# Altium PCB 1166V30.PcbDoc (part 6 of 6)
Units mil, origin at the board's own origin, x right, y up, seen from the top; angles counter-clockwise.
Board outline 6140.98 x 3937.01 mil, 8 copper layers (Top Layer, Layer 1, Layer 2, Layer 3, Layer 4, Layer 5, Layer 6, Bottom Layer), stack 63.002 mil thick; 581 components, 327 nets, 2120 pads, 1524 vias.
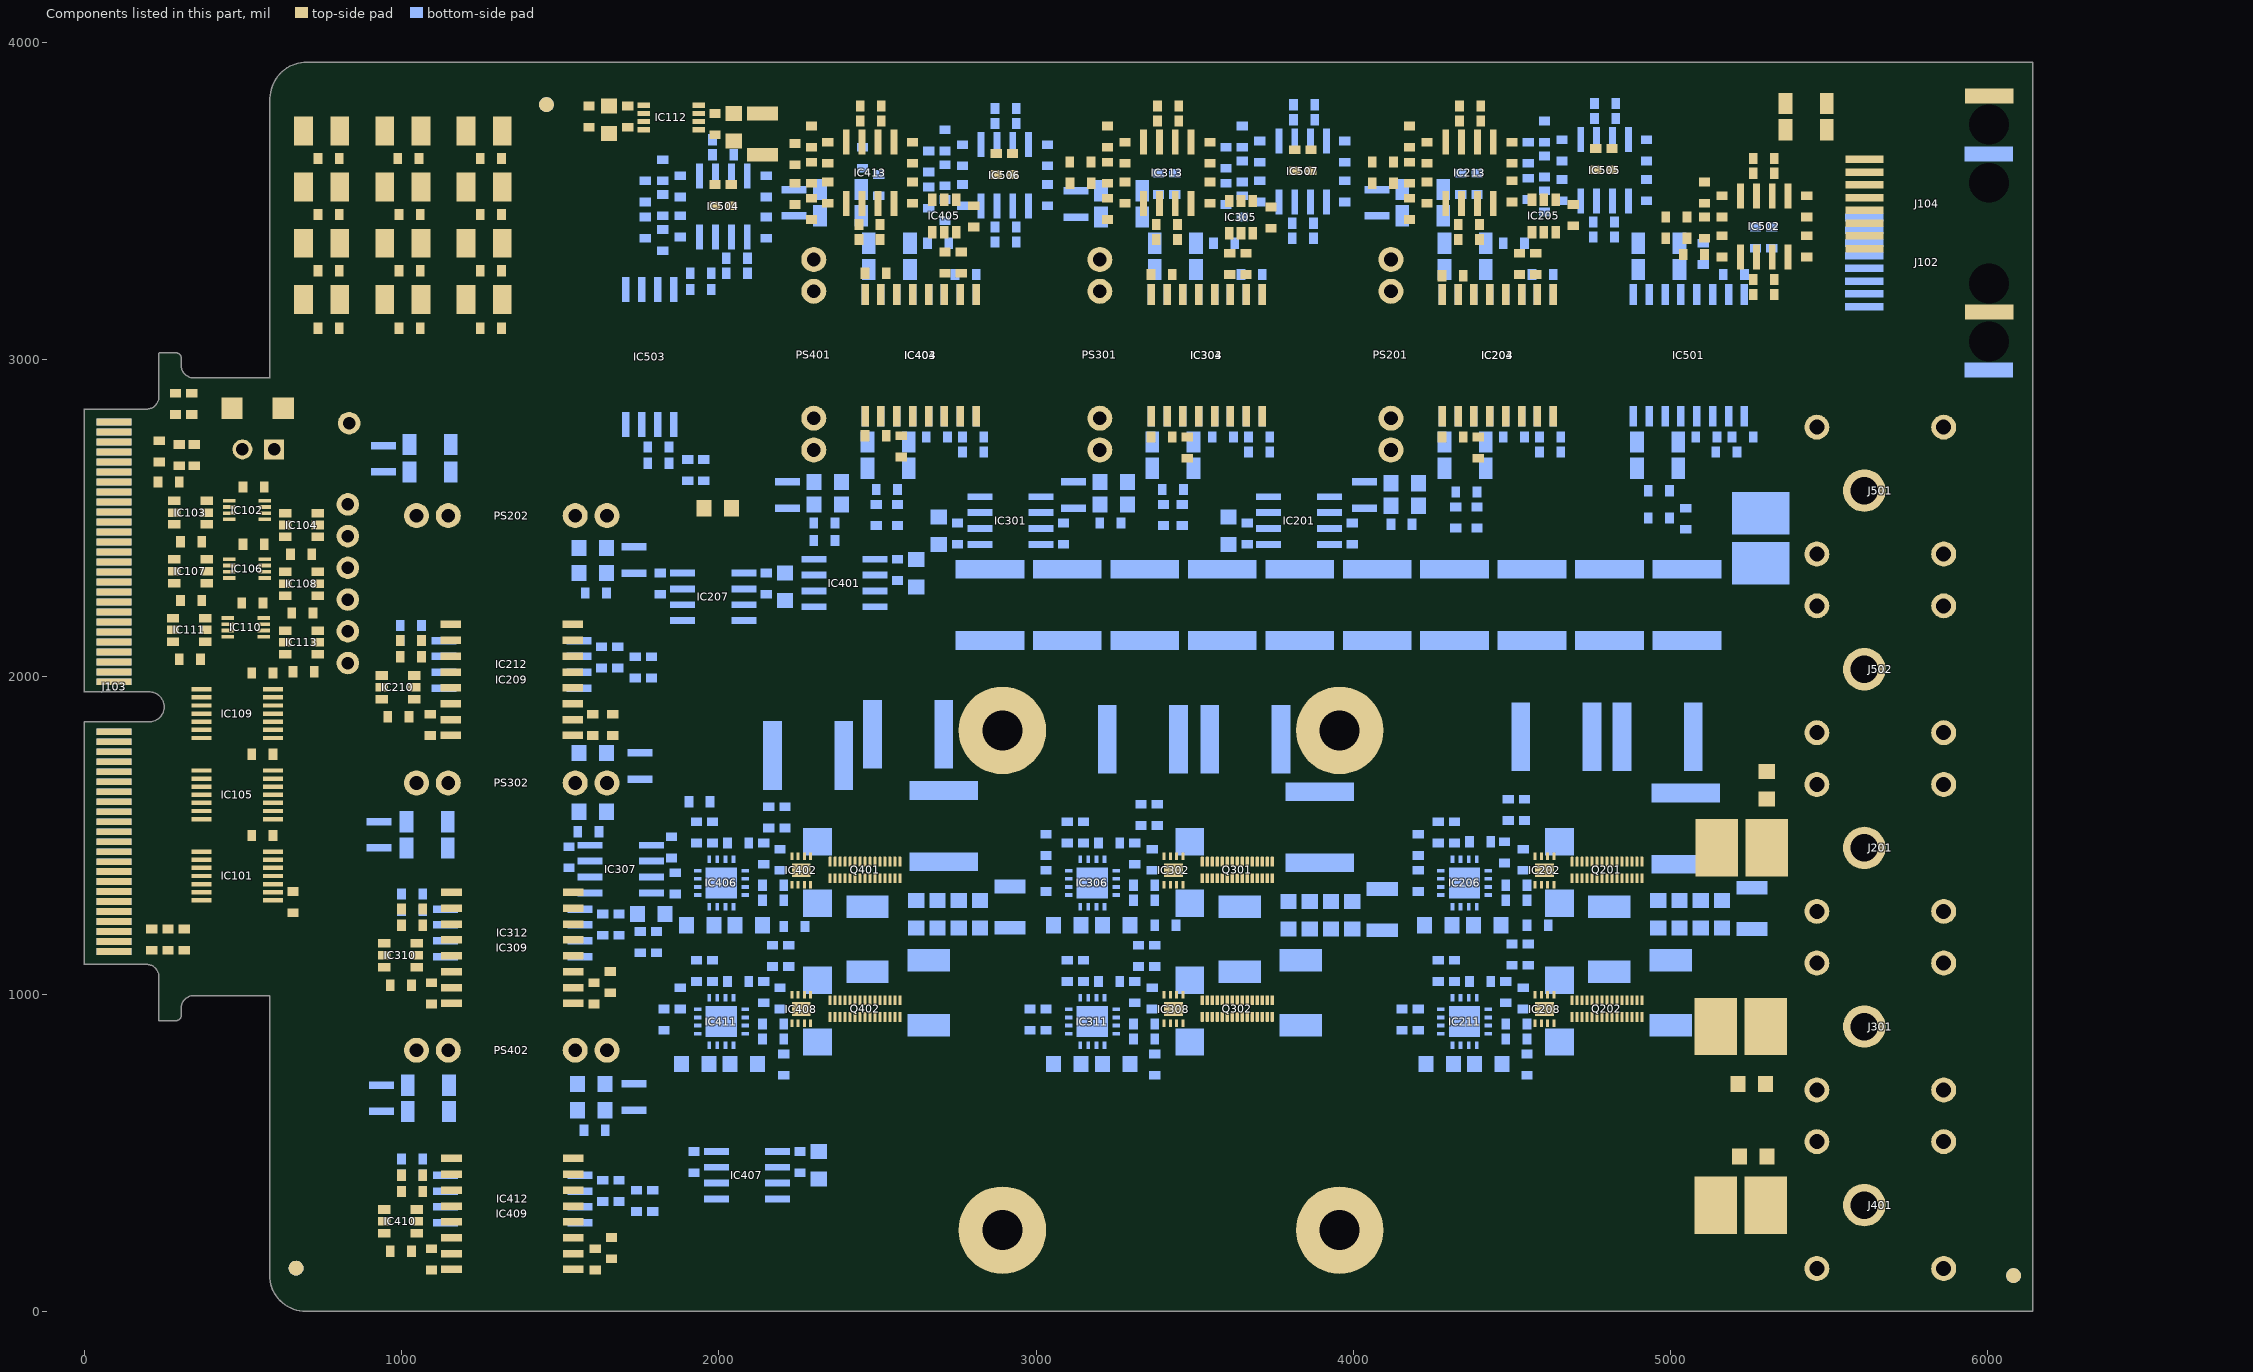
[diagram p12: the components of this part, seen from the top]

## Polygon pours and split planes (outlines as drawn) (continued)
M1 on Layer 1 "M1_L02_P155" (solid, remove dead copper, pour order 155): 4157.48,1173.23 4149.61,1165.35 4149.61,795.28 4177.17,767.72 4177.17,673.23 5015.75,673.23 5015.75,960.63 4917.32,1059.06 4917.32,1165.35 4909.45,1173.23
M3 on Layer 1 "M3_L02_P154" (solid, remove dead copper, pour order 154): 2972.44,1165.35 2972.44,759.84 3062.99,669.29 3775.59,669.29 3775.59,716.54 3846.46,787.4 3846.46,960.63 3751.97,1055.12 3751.97,1165.35 3744.09,1173.23 2980.31,1173.23
MP on Layer 1 "MP_L02_P153" (solid, remove dead copper, pour order 153): 3035.43,665.35 5047.24,665.35 5062.99,649.61 5062.99,0 3035.43,0
M2 on Layer 1 "M2_L02_P152" (solid, remove dead copper, pour order 152): 4157.48,1181.1 4145.67,1192.91 4145.67,1503.94 4267.72,1625.98 4523.62,1625.98 4720.47,1429.13 4905.51,1429.13 4917.32,1417.32 4917.32,1181.1
M4 on Layer 1 "M4_L02_P151" (solid, remove dead copper, pour order 151): 2984.25,1181.1 2976.38,1188.98 2976.38,1488.19 3114.17,1625.98 3370.08,1625.98 3562.99,1433.07 3744.09,1433.07 3751.97,1425.2 3751.97,1188.98 3744.09,1181.1
M6 on Layer 1 "M6_L02_P148" (solid, remove dead copper, pour order 148): 1830.71,1625.98 2200.79,1625.98 2393.7,1433.07 2566.93,1433.07 2578.74,1421.26 2578.74,1185.04 2570.87,1177.17 1877.95,1177.17 1822.83,1232.28 1822.83,1618.11
MP on Layer 1 "MP_L02_P081" (solid, remove dead copper, pour order 81): 50 vertices, not listed, extent 2192.91,0 6141.73,2704.72
M7 on Layer 1 "M7_L02_P157" (solid, remove dead copper, pour order 157): 4744.09,2854.33 4736.22,2846.46 4736.22,2370.08 4744.09,2362.2 5114.17,2362.2 5177.17,2425.2 5177.17,2606.3 5287.4,2716.54 5287.4,2846.46 5279.53,2854.33
MP on Layer 5 "MP_L06_P168" (solid, remove dead copper, pour order 168): 6141.73,2708.66 5299.21,2708.66 5153.54,2854.33 1712.6,2854.33 1503.94,2645.67 1503.94,0 6141.73,0
GND on Layer 5 "GND_L06_P042" (solid, remove dead copper, pour order 42): 22 vertices, not listed, extent 0,0 6141.73,3937.01
M7 on Layer 5 "M7_L06_P161" (solid, remove dead copper, pour order 161): 4744.09,2854.33 4736.22,2846.46 4736.22,2370.08 4744.09,2362.2 5114.17,2362.2 5177.17,2425.2 5177.17,2606.3 5287.4,2716.54 5287.4,2846.46 5279.53,2854.33
M5 on Layer 4 "M5_L05_P166" (solid, remove dead copper, pour order 166): 1503.94,1023.62 1688.98,838.58 1688.98,688.98 1885.83,492.13 2519.69,492.13 2637.8,374.02 2637.8,0 1503.94,0
3V3 on Layer 4 "3V3_L05_P044" (solid, remove dead copper, pour order 44): 22 vertices, not listed, extent 0,0 6141.73,3937.01
MP on Layer 4 "MP_L05_P169" (solid, remove dead copper, pour order 169): 21 vertices, not listed, extent 2649.61,0 6141.73,2708.66
M7 on Layer 4 "M7_L05_P160" (solid, remove dead copper, pour order 160): 4744.09,2854.33 4736.22,2846.46 4736.22,2370.08 4744.09,2362.2 5114.17,2362.2 5177.17,2425.2 5177.17,2606.3 5287.4,2716.54 5287.4,2846.46 5279.53,2854.33
HV on Layer 4 "HV_L05_P143" (solid, remove dead copper, pour order 143): 4696.85,1437.01 4712.6,1421.26 5173.23,1421.26 5185.04,1433.07 5185.04,1673.23 5173.23,1685.04 4748.03,1685.04 4736.22,1673.23 4736.22,1618.11 4692.91,1574.8 4692.91,1440.94 4700.79,1433.07
HV on Layer 4 "HV_L05_P136" (solid, remove dead copper, pour order 136): 3553.94,1429.13 3732.28,1429.13 4090.55,1429.13 4098.43,1437.01 4098.43,1748.03 3602.36,2244.09 3586.61,2244.09 3578.74,2236.22 3578.74,1940.94 3531.5,1893.7 3531.5,1451.57
HV on Layer 4 "HV_L05_P135" (solid, remove dead copper, pour order 135): 2354.33,1444.88 2370.08,1429.13 2929.13,1429.13 2937.01,1437.01 2937.01,1956.69 2673.23,2220.47 2657.48,2220.47 2354.33,1917.32 2354.33,1751.97
M2 on Layer 4 "M2_L05_P125" (solid, remove dead copper, pour order 125): 22 vertices, not listed, extent 3582.68,1181.1 5185.04,2854.33
M4 on Layer 4 "M4_L05_P124" (solid, remove dead copper, pour order 124): 27 vertices, not listed, extent 2669.29,1181.1 4098.43,2854.33
M6 on Layer 4 "M6_L05_P123" (solid, remove dead copper, pour order 123): 23 vertices, not listed, extent 1822.83,1177.17 2937.01,2854.33
M5 on Layer 4 "M5_L05_P132" (solid, remove dead copper, pour order 132): 1881.89,1169.29 2897.64,1169.29 2913.39,1153.54 2913.39,897.64 2791.34,775.59 2570.87,775.59 2547.24,751.97 1988.19,751.97 1944.88,795.28 1944.88,988.19 1874.02,1059.06 1874.02,1161.42
SW_L1 on Layer 4 "SW_L1_L05_P134" (solid, remove dead copper, pour order 134): 4602.36,1165.35 4610.24,1173.23 5177.17,1173.23 5185.04,1165.35 5185.04,984.25 5169.29,968.5 4716.54,968.5 4602.36,1082.68 4602.36,1098.43
SW_L2 on Layer 4 "SW_L2_L05_P133" (solid, remove dead copper, pour order 133): 3433.07,1173.23 4200.79,1173.23 4208.66,1165.35 4208.66,1153.54 4000,944.88 3818.9,944.88 3795.28,968.5 3562.99,968.5 3425.2,1106.3 3425.2,1165.35
M3 on Layer 4 "M3_L05_P122" (solid, remove dead copper, pour order 122): 30 vertices, not listed, extent 1625.98,618.11 3972.44,1594.49
M1 on Layer 4 "M1_L05_P121" (solid, remove dead copper, pour order 121): 33 vertices, not listed, extent 1503.94,385.83 5051.18,1811.02
M1 on Layer 4 "M1_L05_P120" (solid, remove dead copper, pour order 120): 17 vertices, not listed, extent 1503.94,1594.49 2236.22,2854.33
MP on Layer 6 "MP_L07_P167" (solid, remove dead copper, pour order 167): 6141.73,2708.66 5299.21,2708.66 5153.54,2854.33 1712.6,2854.33 1503.94,2645.67 1503.94,0 6141.73,0
GND on Layer 6 "GND_L07_P051" (solid, remove dead copper, pour order 51): 22 vertices, not listed, extent 0,0 6141.73,3937.01
M2W on Layer 6 "M2W_L07_P104" (solid, remove dead copper, pour order 104): 2448.82,2854.33 2440.94,2846.46 2440.94,2433.07 2448.82,2425.2 2649.61,2425.2 2657.48,2433.07 2657.48,2543.31 2728.35,2614.17 2838.58,2614.17 2909.45,2685.04 2909.45,2846.46 2901.57,2854.33
M2V on Layer 6 "M2V_L07_P100" (solid, remove dead copper, pour order 100): 3342.52,2854.33 3334.65,2846.46 3334.65,2377.95 3342.52,2370.08 3562.99,2370.08 3570.87,2377.95 3570.87,2555.12 3649.61,2633.86 3779.53,2633.86 3826.77,2681.1 3826.77,2846.46 3818.9,2854.33 3814.96,2854.33
M2U on Layer 6 "M2U_L07_P099" (solid, remove dead copper, pour order 99): 4720.47,2854.33 4728.35,2846.46 4728.35,2393.7 4720.47,2385.83 4248.03,2385.83 4240.16,2393.7 4240.16,2846.46 4248.03,2854.33
M7 on Layer 6 "M7_L07_P098" (solid, remove dead copper, pour order 98): 4744.09,2854.33 4736.22,2846.46 4736.22,2393.7 4744.09,2385.83 5137.8,2385.83 5177.17,2425.2 5177.17,2606.3 5287.4,2716.54 5287.4,2846.46 5279.53,2854.33
MP on Layer 3 "MP_L04_P170" (solid, remove dead copper, pour order 170): 21 vertices, not listed, extent 2649.61,0 6141.73,2708.66
M5 on Layer 3 "M5_L04_P165" (solid, remove dead copper, pour order 165): 1503.94,1023.62 1688.98,838.58 1688.98,688.98 1885.83,492.13 2519.69,492.13 2637.8,374.02 2637.8,0 1503.94,0
M7 on Layer 3 "M7_L04_P158" (solid, remove dead copper, pour order 158): 4744.09,2854.33 4736.22,2846.46 4736.22,2370.08 4744.09,2362.2 5114.17,2362.2 5177.17,2425.2 5177.17,2606.3 5287.4,2716.54 5287.4,2846.46 5279.53,2854.33
HV on Layer 3 "HV_L04_P140" (solid, remove dead copper, pour order 140): 4696.85,1437.01 4712.6,1421.26 5173.23,1421.26 5185.04,1433.07 5185.04,1673.23 5173.23,1685.04 4748.03,1685.04 4736.22,1673.23 4736.22,1618.11 4692.91,1574.8 4692.91,1440.94 4700.79,1433.07
HV on Layer 3 "HV_L04_P138" (solid, remove dead copper, pour order 138): 3553.94,1429.13 3732.28,1429.13 4090.55,1429.13 4098.43,1437.01 4098.43,1748.03 3602.36,2244.09 3586.61,2244.09 3578.74,2236.22 3578.74,1940.94 3531.5,1893.7 3531.5,1451.57
HV on Layer 3 "HV_L04_P137" (solid, remove dead copper, pour order 137): 2354.33,1444.88 2370.08,1429.13 2929.13,1429.13 2937.01,1437.01 2937.01,1956.69 2673.23,2220.47 2657.48,2220.47 2354.33,1917.32 2354.33,1751.97
M3 on Layer 3 "M3_L04_P068" (solid, remove dead copper, pour order 68): 1814.96,1600.31 1726.46,1600.31 1700.79,1625.98 1700.79,1748.03 1665.35,1783.46 1509.82,1783.46 1503.94,1777.59 1503.94,933.07 1511.81,925.2 1700.79,925.2 1866.14,1090.55 1866.14,1173.36 1814.96,1224.54 1814.96,1295.28
M1 on Layer 3 "M1_L04_P067" (solid, remove dead copper, pour order 67): 2137.8,2846.46 2129.92,2854.33 1712.6,2854.33 1503.94,2645.67 1503.94,1791.34 1653.54,1791.34 1755.91,1688.98 1803.15,1688.98 1803.15,1696.85 2236.22,2129.92 2236.22,2393.7 2137.8,2492.13 2137.8,2602.36
M2 on Layer 3 "M2_L04_P063" (solid, remove dead copper, pour order 63): 22 vertices, not listed, extent 3582.68,1181.1 5185.04,2854.33
M4 on Layer 3 "M4_L04_P062" (solid, remove dead copper, pour order 62): 27 vertices, not listed, extent 2669.29,1181.1 4098.43,2854.33
M6 on Layer 3 "M6_L04_P061" (solid, remove dead copper, pour order 61): 23 vertices, not listed, extent 1822.83,1181.1 2937.01,2854.33
SW_L3 on Layer 3 "SW_L3_L04_P142" (solid, remove dead copper, pour order 142): 2271.65,1169.29 2263.78,1161.42 2263.78,1098.43 2370.08,992.13 2913.39,992.13 2913.39,1153.54 2897.64,1169.29
SW_L1 on Layer 3 "SW_L1_L04_P141" (solid, remove dead copper, pour order 141): 4602.36,1165.35 4610.24,1173.23 5177.17,1173.23 5185.04,1165.35 5185.04,984.25 5169.29,968.5 4716.54,968.5 4602.36,1082.68 4602.36,1098.43
SW_L2 on Layer 3 "SW_L2_L04_P139" (solid, remove dead copper, pour order 139): 3433.07,1173.23 4200.79,1173.23 4208.66,1165.35 4208.66,1153.54 4000,944.88 3818.9,944.88 3795.28,968.5 3562.99,968.5 3425.2,1106.3 3425.2,1165.35
M1 on Layer 3 "M1_L04_P097" (solid, remove dead copper, pour order 97): 19 vertices, not listed, extent 2523.62,385.83 5039.37,1173.23
GND on Layer 3 "GND_L04_P041" (solid, remove dead copper, pour order 41): 22 vertices, not listed, extent 0,0 6141.73,3937.01
M3 on Layer 3 "M3_L04_P096" (solid, remove dead copper, pour order 96): 21 vertices, not listed, extent 2551.18,618.11 3972.44,1173.23
M5 on Layer 3 "M5_L04_P095" (solid, remove dead copper, pour order 95): 19 vertices, not listed, extent 1874.02,748.03 2913.39,1169.29
M5 on Layer 2 "M5_L03_P164" (solid, remove dead copper, pour order 164): 1503.94,1023.62 1688.98,838.58 1688.98,688.98 1885.83,492.13 2519.69,492.13 2637.8,374.02 2637.8,0 1503.94,0
GND on Layer 2 "GND_L03_P040" (solid, remove dead copper, pour order 40): 22 vertices, not listed, extent 0,0 6141.73,3937.01
MP on Layer 2 "MP_L03_P171" (solid, remove dead copper, pour order 171): 21 vertices, not listed, extent 2649.61,0 6141.73,2708.66
M7 on Layer 2 "M7_L03_P159" (solid, remove dead copper, pour order 159): 4744.09,2854.33 4736.22,2846.46 4736.22,2370.08 4744.09,2362.2 5114.17,2362.2 5177.17,2425.2 5177.17,2606.3 5287.4,2716.54 5287.4,2846.46 5279.53,2854.33
HV on Layer 2 "HV_L03_P131" (solid, remove dead copper, pour order 131): 4696.85,1437.01 4712.6,1421.26 5173.23,1421.26 5185.04,1433.07 5185.04,1673.23 5173.23,1685.04 4748.03,1685.04 4736.22,1673.23 4736.22,1618.11 4692.91,1574.8 4692.91,1440.94 4700.79,1433.07
SW_L1 on Layer 2 "SW_L1_L03_P130" (solid, remove dead copper, pour order 130): 4602.36,1165.35 4610.24,1173.23 5177.17,1173.23 5185.04,1165.35 5185.04,984.25 5169.29,968.5 4716.54,968.5 4602.36,1082.68 4602.36,1098.43
HV on Layer 2 "HV_L03_P129" (solid, remove dead copper, pour order 129): 3553.94,1429.13 3732.28,1429.13 4090.55,1429.13 4098.43,1437.01 4098.43,1748.03 3602.36,2244.09 3586.61,2244.09 3578.74,2236.22 3578.74,1940.94 3531.5,1893.7 3531.5,1451.57
SW_L2 on Layer 2 "SW_L2_L03_P128" (solid, remove dead copper, pour order 128): 3433.07,1173.23 4200.79,1173.23 4208.66,1165.35 4208.66,1153.54 4000,944.88 3818.9,944.88 3795.28,968.5 3562.99,968.5 3425.2,1106.3 3425.2,1165.35
HV on Layer 2 "HV_L03_P127" (solid, remove dead copper, pour order 127): 2354.33,1444.88 2370.08,1429.13 2929.13,1429.13 2937.01,1437.01 2937.01,1956.69 2673.23,2220.47 2657.48,2220.47 2354.33,1917.32 2354.33,1751.97
M5 on Layer 2 "M5_L03_P126" (solid, remove dead copper, pour order 126): 1881.89,1169.29 2897.64,1169.29 2913.39,1153.54 2913.39,897.64 2791.34,775.59 2570.87,775.59 2547.24,751.97 1988.19,751.97 1944.88,795.28 1944.88,988.19 1874.02,1059.06 1874.02,1161.42
M2 on Layer 2 "M2_L03_P094" (solid, remove dead copper, pour order 94): 22 vertices, not listed, extent 3582.68,1181.1 5185.04,2854.33
M4 on Layer 2 "M4_L03_P093" (solid, remove dead copper, pour order 93): 27 vertices, not listed, extent 2669.29,1181.1 4098.43,2854.33
M3 on Layer 2 "M3_L03_P092" (solid, remove dead copper, pour order 92): 30 vertices, not listed, extent 1625.98,618.11 3972.44,1590.55
M1 on Layer 2 "M1_L03_P091" (solid, remove dead copper, pour order 91): 34 vertices, not listed, extent 1503.94,385.83 5051.18,1811.02
M1 on Layer 2 "M1_L03_P090" (solid, remove dead copper, pour order 90): 17 vertices, not listed, extent 1503.94,1594.49 2236.22,2854.33
M6 on Layer 2 "M6_L03_P089" (solid, remove dead copper, pour order 89): 23 vertices, not listed, extent 1822.83,1181.1 2937.01,2854.33
MP on Top Layer "MP_L01_P163" (solid, remove dead copper, pour order 163): 2188.98,1633.86 2188.98,1854.33 2685.04,2350.39 5122.05,2350.39 5188.98,2417.32 5188.98,2598.43 5299.21,2708.66 6141.73,2708.66 6141.73,0 2685.04,0 2685.04,1602.36 2653.54,1633.86
M1 on Top Layer "M1_L01_P162" (solid, remove dead copper, pour order 162): 2232.28,1909.45 2322.83,1909.45 2622.05,2208.66 2622.05,2232.28 2224.41,2232.28
M6 on Top Layer "M6_L01_P117" (solid, remove dead copper, pour order 117): 2145.67,2846.46 2153.54,2854.33 2901.57,2854.33 2909.45,2846.46 2909.45,2685.04 2838.58,2614.17 2728.35,2614.17 2657.48,2543.31 2657.48,2248.03 2649.61,2240.16 2251.97,2240.16 2244.09,2248.03 2244.09,2397.64 2145.67,2496.06
M1 on Top Layer "M1_L01_P116" (solid, remove dead copper, pour order 116): 19 vertices, not listed, extent 1503.94,1633.86 2232.28,2854.33
M3 on Top Layer "M3_L01_P115" (solid, remove dead copper, pour order 115): 1503.94,1779.53 1515.75,1791.34 1716.54,1791.34 1811.02,1696.85 1811.02,1228.35 1866.14,1173.23 1866.14,1090.55 1700.79,925.2 1511.81,925.2 1503.94,933.07
M5 on Top Layer "M5_L01_P114" (solid, remove dead copper, pour order 114): 17 vertices, not listed, extent 1503.94,0 2677.17,1169.29
M2 on Top Layer "M2_L01_P119" (solid, remove dead copper, pour order 119): 3838.58,2846.46 3846.46,2854.33 4720.47,2854.33 4728.35,2846.46 4728.35,2370.08 4720.47,2362.2 3590.55,2362.2 3582.68,2370.08 3582.68,2551.18 3653.54,2622.05 3783.46,2622.05 3838.58,2677.17
M4 on Top Layer "M4_L01_P118" (solid, remove dead copper, pour order 118): 17 vertices, not listed, extent 2669.29,2362.2 3826.77,2854.33
GND on Top Layer "GND_L01_P045" (solid, remove dead copper, pour order 45): 22 vertices, not listed, extent 0,0 6141.73,3937.01
M7 on Top Layer "M7_L01_P156" (solid, remove dead copper, pour order 156): 4744.09,2854.33 4736.22,2846.46 4736.22,2370.08 4744.09,2362.2 5114.17,2362.2 5177.17,2425.2 5177.17,2606.3 5287.4,2716.54 5287.4,2846.46 5279.53,2854.33
M1 on Top Layer "M1_L01_P107" (solid, remove dead copper, pour order 107): 4972.44,960.63 5000,933.07 4830.71,763.78 4196.85,763.78 4027.56,933.07 4027.56,1153.54 4047.24,1173.23 4586.61,1173.23 4594.49,1165.35 4594.49,1070.87 4704.72,960.63 4724.41,960.63
M4 on Top Layer "M4_L01_P112" (solid, remove dead copper, pour order 112): 3523.62,1393.7 3850.39,1393.7 3858.27,1385.83 3858.27,1275.59 3763.78,1181.1 3000,1181.1 2988.19,1192.91 2988.19,1507.87 3106.3,1625.98 3374.02,1625.98 3492.13,1507.87 3492.13,1425.2
M6 on Top Layer "M6_L01_P113" (solid, remove dead copper, pour order 113): 2350.39,1393.7 2677.17,1393.7 2685.04,1385.83 2685.04,1200.79 2665.35,1181.1 1874.02,1181.1 1822.83,1232.28 1822.83,1618.11 1830.71,1625.98 2200.79,1625.98 2318.9,1507.87 2318.9,1425.2
HV on Top Layer "HV_L01_P111" (solid, remove dead copper, pour order 111): 2358.27,1405.51 2326.77,1437.01 2326.77,1511.81 2232.28,1606.3 2232.28,1696.85 2240.16,1704.72 2610.24,1704.72 2685.04,1629.92 2685.04,1413.39 2677.17,1405.51
HV on Top Layer "HV_L01_P110" (solid, remove dead copper, pour order 110): 3531.5,1405.51 3500,1437.01 3500,1511.81 3377.95,1633.86 3377.95,1692.91 3385.83,1700.79 3787.4,1700.79 3858.27,1629.92 3858.27,1413.39 3850.39,1405.51
M3 on Top Layer "M3_L01_P109" (solid, remove dead copper, pour order 109): 3795.28,960.63 3826.77,929.13 3842.52,929.13 3846.46,925.2 3846.46,846.46 4082.68,610.24 4082.68,594.49 3118.11,594.49 2893.7,818.9 2893.7,1133.86 2933.07,1173.23 3405.51,1173.23 3417.32,1161.42 3417.32,1106.3 3562.99,960.63
M2 on Top Layer "M2_L01_P108" (solid, remove dead copper, pour order 108): 4688.98,1393.7 5015.75,1393.7 5023.62,1385.83 5023.62,1275.59 4929.13,1181.1 4165.35,1181.1 4153.54,1192.91 4153.54,1507.87 4271.65,1625.98 4539.37,1625.98 4657.48,1507.87 4657.48,1425.2
SW_L3 on Top Layer "SW_L3_L01_P056" (solid, remove dead copper, pour order 56): 19 vertices, not listed, extent 2244.09,244.09 5157.48,1169.29
SW_L2 on Top Layer "SW_L2_L01_P055" (solid, remove dead copper, pour order 55): 18 vertices, not listed, extent 3425.2,594.49 5208.66,1173.23
HV on Top Layer "HV_L01_P054" (solid, remove dead copper, pour order 54): 4696.85,1405.51 4665.35,1437.01 4665.35,1511.81 4547.24,1629.92 4547.24,1688.98 4559.06,1700.79 4952.76,1700.79 5023.62,1629.92 5023.62,1413.39 5015.75,1405.51
SW_L1 on Top Layer "SW_L1_L01_P052" (solid, remove dead copper, pour order 52): 5055.12,1551.18 5031.5,1527.56 5031.5,1259.84 4944.88,1173.23 4610.24,1173.23 4602.36,1165.35 4602.36,1074.8 4704.72,972.44 5031.5,972.44 5212.6,1153.54 5212.6,1551.18
MP on Bottom Layer "MP_L08_P173" (solid, remove dead copper, pour order 173): 23 vertices, not listed, extent 5047.24,0 6011.81,2314.96
M2W on Bottom Layer "M2W_L08_P103" (solid, remove dead copper, pour order 103): 2440.94,2846.46 2448.82,2854.33 2901.57,2854.33 2909.45,2846.46 2909.45,2685.04 2838.58,2614.17 2728.35,2614.17 2657.48,2543.31 2657.48,2433.07 2649.61,2425.2 2448.82,2425.2 2440.94,2433.07
M3 on Bottom Layer "M3_L08_P087" (solid, remove dead copper, pour order 87): 1507.87,1791.34 1503.94,1787.4 1503.94,933.07 1511.81,925.2 1700.79,925.2 1866.14,1090.55 1866.14,1480.31 1838.58,1507.87 1838.58,1736.22 1893.7,1791.34
M6 on Bottom Layer "M6_L08_P078" (solid, remove dead copper, pour order 78): 30 vertices, not listed, extent 1846.46,1177.17 2657.48,2854.33
M2 on Bottom Layer "M2_L08_P080" (solid, remove dead copper, pour order 80): 19 vertices, not listed, extent 4106.3,1181.1 4921.26,1984.25
M1 on Bottom Layer "M1_L08_P073" (solid, remove dead copper, pour order 73): 4224.41,1173.23 4090.55,1039.37 4090.55,696.85 4106.3,681.1 5082.68,681.1 5208.66,807.09 5208.66,937.01 4972.44,937.01 4948.82,960.63 4704.72,960.63 4594.49,1070.87 4594.49,1165.35 4586.61,1173.23
M5 on Bottom Layer "M5_L08_P106" (solid, remove dead copper, pour order 106): 5362.2,0 5362.2,559.06 5283.46,637.8 2937.01,637.8 2913.38,661.42 2913.39,775.59 2539.37,775.59 2484.25,720.47 2484.25,11.81 2496.06,0
M5 on Bottom Layer "M5_L08_P070" (solid, remove dead copper, pour order 70): 1767.72,980.31 1704.72,917.32 1511.81,917.32 1503.94,909.45 1503.94,7.87 1511.81,0 2492.13,0 2511.81,19.69 2511.81,736.22
M5 on Bottom Layer "M5_L08_P069" (solid, remove dead copper, pour order 69): 17 vertices, not listed, extent 1759.84,724.41 2913.39,1169.29
GND on Bottom Layer "GND_L08_P046" (solid, remove dead copper, pour order 46): 22 vertices, not listed, extent 0,0 6141.73,3937.01
SW_L2 on Bottom Layer "SW_L2_L08_P072" (solid, remove dead copper, pour order 72): 3440.94,1169.29 3444.88,1173.23 3744.09,1173.23 3759.84,1157.48 3759.84,976.38 3751.97,968.5 3566.93,968.5 3440.94,1094.49 3440.94,1110.24
M7 on Bottom Layer "M7_L08_P082" (solid, remove dead copper, pour order 82): 24 vertices, not listed, extent 4736.22,2385.83 5299.21,2854.33
M2 on Bottom Layer "M2_L08_P083" (solid, remove dead copper, pour order 83): 4240.75,2854.33 4248.03,2847.05 4248.03,2393.7 4240.16,2385.83 3602.36,2385.83 3582.68,2405.51 3582.68,2551.18 3653.54,2622.05 3783.46,2622.05 3838.58,2677.17 3838.58,2842.52 3850.39,2854.33
M4 on Bottom Layer "M4_L08_P102" (solid, remove dead copper, pour order 102): 3326.77,2385.83 3318.9,2377.95 2677.17,2377.95 2669.29,2385.83 2669.29,2539.37 2732.28,2602.36 2842.52,2602.36 2921.26,2681.1 2921.26,2846.46 2929.13,2854.33 3318.9,2854.33 3326.77,2846.46
HV on Bottom Layer "HV_L08_P172" (solid, remove dead copper, pour order 172): 5020.26,1953.83 5027.06,1960.63 5271.65,1960.63 5320.87,2009.84 5212.6,2118.11 5059.06,2118.11 5018.84,2077.9
SW_L3 on Bottom Layer "SW_L3_L08_P074" (solid, remove dead copper, pour order 74): 2267.72,1149.61 2267.72,1070.87 2389.76,948.82 2570.87,948.82 2590.55,968.5 2590.55,1157.48 2578.74,1169.29 2287.4,1169.29
MP on Bottom Layer "MP_L08_P085" (solid, remove dead copper, pour order 85): 2681.1,2366.14 2669.29,2354.33 2669.29,2295.28 2677.17,2287.4 5149.61,2287.4 5173.23,2311.02 5173.23,2362.2 5169.29,2366.14
HV on Bottom Layer "HV_L08_P066" (solid, remove dead copper, pour order 66): 5370.08,2346.46 5401.57,2314.96 5401.57,2090.55 5303.15,1992.13 2488.19,1992.13 2444.88,2035.43 2448.82,2039.37 2448.82,2086.61 2578.74,2216.54 2633.86,2216.54 2692.91,2275.59 5137.8,2275.59 5208.66,2346.46 5216.54,2346.46
HV on Bottom Layer "HV_L08_P058" (solid, remove dead copper, pour order 58): 20 vertices, not listed, extent 4586.61,1267.72 5326.77,2110.24
M1 on Bottom Layer "M1_L08_P086" (solid, remove dead copper, pour order 86): 2133.86,2846.46 2125.98,2854.33 1712.6,2854.33 1503.94,2645.67 1503.94,1799.21 1901.57,1799.21 2232.28,2129.92 2232.28,2393.7 2133.86,2492.13
M2U on Bottom Layer "M2U_L08_P105" (solid, remove dead copper, pour order 105): 4263.78,2854.33 4255.91,2846.46 4255.91,2393.7 4263.78,2385.83 4716.54,2385.83 4728.35,2397.64 4728.35,2846.46 4720.47,2854.33
M2V on Bottom Layer "M2V_L08_P101" (solid, remove dead copper, pour order 101): 3826.77,2846.46 3818.9,2854.33 3342.52,2854.33 3334.65,2846.46 3334.65,2385.83 3342.52,2377.95 3562.99,2377.95 3570.87,2385.83 3570.87,2555.12 3649.61,2633.86 3779.53,2633.86 3826.77,2681.1
M4 on Bottom Layer "M4_L08_P079" (solid, remove dead copper, pour order 79): 24 vertices, not listed, extent 2984.25,1188.98 3755.91,1984.25
M3 on Bottom Layer "M3_L08_P071" (solid, remove dead copper, pour order 71): 3401.57,1169.29 3051.18,1169.29 2921.26,1039.37 2921.26,692.91 2933.07,681.1 4062.96,681.1 4076.72,694.82 4076.72,925.16 4064.87,937.01 3767.72,937.01 3744.09,960.63 3562.99,960.63 3433.07,1090.55 3433.07,1137.8
MP on Bottom Layer "MP_L08_P077" (solid, remove dead copper, pour order 77): 4933.07,1255.91 4937.01,1259.84 5303.15,1259.84 5326.77,1236.22 5326.77,1129.92 5267.72,1070.87 4937.01,1070.87 4933.07,1074.8
MP on Bottom Layer "MP_L08_P076" (solid, remove dead copper, pour order 76): 3767.72,1255.91 3771.65,1259.84 4133.86,1259.84 4149.61,1244.09 4149.61,1118.11 4102.36,1070.87 3771.65,1070.87 3767.72,1074.8
MP on Bottom Layer "MP_L08_P075" (solid, remove dead copper, pour order 75): 2594.49,1255.91 2598.43,1259.84 2960.63,1259.84 2976.38,1244.09 2976.38,1118.11 2929.13,1070.87 2598.43,1070.87 2594.49,1074.8
SW_L1 on Bottom Layer "SW_L1_L08_P060" (solid, remove dead copper, pour order 60): 4905.51,980.31 4925.2,1000 4925.2,1157.48 4909.45,1173.23 4610.24,1173.23 4602.36,1165.35 4602.36,1043.31 4645.67,1000 4681.1,1000 4688.98,992.13 4688.98,980.31 4696.85,972.44 4897.64,972.44
HV on Bottom Layer "HV_L08_P065" (solid, remove dead copper, pour order 65): 22 vertices, not listed, extent 2224.41,1271.65 2972.44,2102.36
HV on Bottom Layer "HV_L08_P064" (solid, remove dead copper, pour order 64): 25 vertices, not listed, extent 3279.53,1267.72 4145.67,2125.98

## Keep-outs
Keep-Out Layer:
  lines w5: -0.35,2843.15 -0.35,1952.4 ; 0,2843.5 195.99,2843.5 ccw(c195.99,2882.87) 235.36,2882.87 235.36,3019.8 ; 236.23,3020.67 289.69,3020.67 cw(c289.69,3004.92) 305.43,3004.92 ; 305.43,3004.06 305.43,2981.3 ccw(c344.8,2981.3) 344.8,2941.93 583.54,2941.93 585.13,2943.52 ; 344.8,995.08 ccw(c344.8,955.71) 305.43,955.71 305.43,932.09 cw(c289.69,932.09) 289.69,916.34 235.52,916.34 235.36,916.5 235.36,1054.13 ccw(c195.99,1054.13) 195.99,1093.5 0,1093.5 -0.35,1093.86 -0.35,1857.91 204.37,1857.91 ccw(c204.37,1905.16) 204.37,1952.4 -0.35,1952.4 ; 345.32,994.72 583.9,994.72 583.9,114.17 ccw(c698.07,114.17) 698.07,0 6140.63,0 6140.63,3937.01 702.01,3937.01 ccw(c700.66,3821.48) 585.13,3822.83 585.13,2942.81 ; -0.35,1952.4 -0.35,1952.4

## Other copper
Top Layer:
  pour cut-out: 4468.5,1456.69 4456.69,1444.88 4456.69,1429.13 4468.5,1417.32 4484.25,1417.32 4496.06,1429.13 4496.06,1444.88 4484.25,1456.69
  pour cut-out: 4472.44,1015.75 4460.63,1003.94 4460.63,988.19 4472.44,976.38 4488.19,976.38 4500,988.19 4500,1003.94 4488.19,1015.75
  pour cut-out: 3303.15,1015.75 3291.34,1003.94 3291.34,988.19 3303.15,976.38 3318.9,976.38 3330.71,988.19 3330.71,1003.94 3318.9,1015.75
  pour cut-out: 3303.15,1452.76 3291.34,1440.94 3291.34,1425.2 3303.15,1413.39 3318.9,1413.39 3330.71,1425.2 3330.71,1440.94 3318.9,1452.76
  pour cut-out: 2133.86,1452.76 2122.05,1440.94 2122.05,1425.2 2133.86,1413.39 2149.61,1413.39 2161.42,1425.2 2161.42,1440.94 2149.61,1452.76
  pour cut-out: 2133.86,1015.75 2122.05,1003.94 2122.05,988.19 2133.86,976.38 2149.61,976.38 2161.42,988.19 2161.42,1003.94 2149.61,1015.75
  pour cut-out: 2460.63,1248.03 2448.82,1236.22 2448.82,1220.47 2460.63,1208.66 2476.38,1208.66 2488.19,1220.47 2488.19,1236.22 2476.38,1248.03
  pour cut-out: 2460.63,1196.85 2448.82,1185.04 2448.82,1169.29 2460.63,1157.48 2476.38,1157.48 2488.19,1169.29 2488.19,1185.04 2476.38,1196.85
  pour cut-out: 2653.54,968.5 2641.73,956.69 2641.73,940.94 2653.54,929.13 2669.29,929.13 2681.1,940.94 2681.1,956.69 2669.29,968.5
  pour cut-out: 3826.77,968.5 3814.96,956.69 3814.96,940.94 3826.77,929.13 3842.52,929.13 3854.33,940.94 3854.33,956.69 3842.52,968.5
  pour cut-out: 3633.86,1248.03 3622.05,1236.22 3622.05,1220.47 3633.86,1208.66 3649.61,1208.66 3661.42,1220.47 3661.42,1236.22 3649.61,1248.03
  pour cut-out: 3633.86,1200.79 3622.05,1188.98 3622.05,1173.23 3633.86,1161.42 3649.61,1161.42 3661.42,1173.23 3661.42,1188.98 3649.61,1200.79
  pour cut-out: 4992.13,968.5 4980.31,956.69 4980.31,940.94 4992.13,929.13 5007.87,929.13 5019.68,940.94 5019.68,956.69 5007.87,968.5
  pour cut-out: 4799.21,1248.03 4787.4,1236.22 4787.4,1220.47 4799.21,1208.66 4814.96,1208.66 4826.77,1220.47 4826.77,1236.22 4814.96,1248.03
  pour cut-out: 4799.21,1200.79 4787.4,1188.98 4787.4,1173.23 4799.21,1161.42 4814.96,1161.42 4826.77,1173.23 4826.77,1188.98 4814.96,1200.79
  pour cut-out: 1078.74,299.21 1070.87,307.09 1023.62,307.09 996.06,279.53 996.06,192.91 1007.87,181.1 1031.5,181.1 1078.74,228.35 1078.74,279.53
  pour cut-out: 1070.87,1982.19 1062.99,1990.06 1015.75,1990.06 988.19,1962.5 988.19,1874.02 996.06,1866.14 1027.56,1866.14 1070.87,1909.45 1070.87,1962.5
  pour cut-out: 1078.74,1137.8 1070.87,1145.67 1023.62,1145.67 996.06,1118.11 996.06,1035.43 1011.81,1019.69 1035.43,1019.68 1078.74,1062.99 1078.74,1118.11
  pour cut-out: 7.87,2763.78 39.37,2763.78 39.37,2594.49 7.87,2594.49
  pour cut-out: 755.91,2496.06 755.91,2460.63 751.97,2456.69 740.16,2456.69 728.35,2444.88 728.35,2374.02 724.41,2370.08 696.85,2370.08 688.98,2377.95 688.98,2480.32 704.72,2496.06
  pour cut-out: 759.84,2311.02 759.84,2275.59 755.91,2271.65 744.09,2271.65 732.28,2259.84 732.28,2188.98 728.35,2185.04 700.79,2185.04 688.98,2196.85 688.98,2291.34 708.66,2311.02
  pour cut-out: 763.78,2125.98 763.78,2090.55 759.84,2086.61 748.03,2086.61 736.22,2074.8 736.22,2003.94 732.28,2000 704.72,2000 688.98,2015.75 688.98,2102.36 712.6,2125.98
  pour cut-out: 251.97,2133.86 251.97,2165.35 255.91,2169.29 303.15,2169.29 326.77,2145.67 326.77,2047.24 318.9,2039.37 303.28,2039.37 287.4,2055.24 287.4,2098.43
  pour cut-out: 255.91,2318.9 255.91,2350.39 259.84,2354.33 307.09,2354.33 330.71,2330.71 330.71,2232.28 322.83,2224.41 307.21,2224.41 291.34,2240.28 291.34,2283.46
  pour cut-out: 255.91,2503.94 255.91,2535.43 259.84,2539.37 307.09,2539.37 330.71,2515.75 330.71,2417.32 322.83,2409.45 307.21,2409.45 291.34,2425.32 291.34,2468.5
  pour cut-out: 5565.75,3937.01 5565.75,3169.29 6141.73,3169.29 6141.73,3937.01
  text "X1" at 5586.74,3866.27 h50
  text "L3" at 716.66,3811.15 h30
  text "L2" at 972.57,3811.15 h30
  text "L1" at 1228.47,3811.15 h30
  text "OT" at 637.67,3693.04 h30 r90
  text "OT" at 893.57,3693.04 h30 r90
  text "OT" at 1149.48,3693.04 h30 r90
  text "H" at 1393.83,3606.43 h50
  text "FAULT" at 637.67,3472.57 h30 r90
  text "FAULT" at 893.57,3472.57 h30 r90
  text "FAULT" at 1149.48,3472.57 h30 r90
  text "OT" at 637.67,3338.71 h30 r90
  text "OT" at 893.57,3338.71 h30 r90
  text "OT" at 1149.48,3338.71 h30 r90
  text "L" at 1393.83,3256.03 h50
  text "FAULT" at 637.67,3118.24 h30 r90
  text "FAULT" at 893.57,3118.24 h30 r90
  text "FAULT" at 1149.48,3118.24 h30 r90
  text "X3" at 382.02,2732.41 h30
  text "Fan" at 665.48,2708.79 h30
  text "1166V30" at 322.83,1015.75 h60
Layer 1:
  pour cut-out: 4799.21,1248.03 4787.4,1236.22 4787.4,1220.47 4799.21,1208.66 4814.96,1208.66 4826.77,1220.47 4826.77,1236.22 4814.96,1248.03
  pour cut-out: 2460.63,1248.03 2448.82,1236.22 2448.82,1220.47 2460.63,1208.66 2476.38,1208.66 2488.19,1220.47 2488.19,1236.22 2476.38,1248.03
  pour cut-out: 3633.86,1248.03 3622.05,1236.22 3622.05,1220.47 3633.86,1208.66 3649.61,1208.66 3661.42,1220.47 3661.42,1236.22 3649.61,1248.03
  pour cut-out: 2653.54,968.5 2641.73,956.69 2641.73,940.94 2653.54,929.13 2669.29,929.13 2681.1,940.94 2681.1,956.69 2669.29,968.5
  pour cut-out: 2133.86,1015.75 2122.05,1003.94 2122.05,988.19 2133.86,976.38 2149.61,976.38 2161.42,988.19 2161.42,1003.94 2149.61,1015.75
  pour cut-out: 2133.86,1452.76 2122.05,1440.94 2122.05,1425.2 2133.86,1413.39 2149.61,1413.39 2161.42,1425.2 2161.42,1440.94 2149.61,1452.76
  pour cut-out: 3303.15,1452.76 3291.34,1440.94 3291.34,1425.2 3303.15,1413.39 3318.9,1413.39 3330.71,1425.2 3330.71,1440.94 3318.9,1452.76
  pour cut-out: 3303.15,1015.75 3291.34,1003.94 3291.34,988.19 3303.15,976.38 3318.9,976.38 3330.71,988.19 3330.71,1003.94 3318.9,1015.75
  pour cut-out: 3826.77,968.5 3814.96,956.69 3814.96,940.94 3826.77,929.13 3842.52,929.13 3854.33,940.94 3854.33,956.69 3842.52,968.5
  pour cut-out: 4468.5,1456.69 4456.69,1444.88 4456.69,1429.13 4468.5,1417.32 4484.25,1417.32 4496.06,1429.13 4496.06,1444.88 4484.25,1456.69
  pour cut-out: 4472.44,1015.75 4460.63,1003.94 4460.63,988.19 4472.44,976.38 4488.19,976.38 4500,988.19 4500,1003.94 4488.19,1015.75
  pour cut-out: 4992.13,968.5 4980.31,956.69 4980.31,940.94 4992.13,929.13 5007.87,929.13 5019.69,940.94 5019.69,956.69 5007.87,968.5
Layer 6:
  pour cut-out: 4385.83,1059.06 4374.02,1047.24 4374.02,1031.5 4385.83,1019.69 4401.57,1019.69 4413.39,1031.5 4413.39,1047.24 4401.57,1059.06
  pour cut-out: 4964.57,976.38 4952.76,964.57 4952.76,948.82 4964.57,937.01 4980.31,937.01 4992.13,948.82 4992.13,964.57 4980.31,976.38
  pour cut-out: 3799.21,976.38 3787.4,964.57 3787.4,948.82 3799.21,937.01 3814.96,937.01 3826.77,948.82 3826.77,964.57 3814.96,976.38
  pour cut-out: 3212.6,1059.06 3200.79,1047.24 3200.79,1031.5 3212.6,1019.69 3228.35,1019.69 3240.16,1031.5 3240.16,1047.24 3228.35,1059.06
  pour cut-out: 2625.98,974.54 2614.17,962.72 2614.17,946.98 2625.98,935.17 2641.73,935.17 2653.54,946.98 2653.54,962.72 2641.73,974.54
  pour cut-out: 2043.31,1059.06 2031.5,1047.24 2031.5,1031.5 2043.31,1019.68 2059.05,1019.68 2070.87,1031.5 2070.87,1047.24 2059.06,1059.06
  pour cut-out: 4314.96,2464.57 4303.15,2452.76 4303.15,2437.01 4314.96,2425.2 4330.71,2425.2 4342.52,2437.01 4342.52,2452.76 4330.71,2464.57
  pour cut-out: 2488.19,2472.44 2476.38,2460.63 2476.38,2444.88 2488.19,2433.07 2503.94,2433.07 2515.75,2444.88 2515.75,2460.63 2503.94,2472.44
  pour cut-out: 3393.7,2472.44 3381.89,2460.63 3381.89,2444.88 3393.7,2433.07 3409.45,2433.07 3421.26,2444.88 3421.26,2460.63 3409.45,2472.44
Layer 2:
  pour cut-out: 2653.54,968.5 2641.73,956.69 2641.73,940.94 2653.54,929.13 2669.29,929.13 2681.1,940.94 2681.1,956.69 2669.29,968.5
  pour cut-out: 2460.63,1196.85 2448.82,1185.04 2448.82,1169.29 2460.63,1157.48 2476.38,1157.48 2488.19,1169.29 2488.19,1185.04 2476.38,1196.85
  pour cut-out: 4799.21,1200.79 4787.4,1188.98 4787.4,1173.23 4799.21,1161.42 4814.96,1161.42 4826.77,1173.23 4826.77,1188.98 4814.96,1200.79
  pour cut-out: 3633.86,1200.79 3622.05,1188.98 3622.05,1173.23 3633.86,1161.42 3649.61,1161.42 3661.42,1173.23 3661.42,1188.98 3649.61,1200.79
  pour cut-out: 2460.63,1248.03 2448.82,1236.22 2448.82,1220.47 2460.63,1208.66 2476.38,1208.66 2488.19,1220.47 2488.19,1236.22 2476.38,1248.03
  pour cut-out: 3633.86,1248.03 3622.05,1236.22 3622.05,1220.47 3633.86,1208.66 3649.61,1208.66 3661.42,1220.47 3661.42,1236.22 3649.61,1248.03
  pour cut-out: 4799.21,1248.03 4787.4,1236.22 4787.4,1220.47 4799.21,1208.66 4814.96,1208.66 4826.77,1220.47 4826.77,1236.22 4814.96,1248.03
  pour cut-out: 4468.5,1456.69 4456.69,1444.88 4456.69,1429.13 4468.5,1417.32 4484.25,1417.32 4496.06,1429.13 4496.06,1444.88 4484.25,1456.69
  pour cut-out: 4472.44,1015.75 4460.63,1003.94 4460.63,988.19 4472.44,976.38 4488.19,976.38 4500,988.19 4500,1003.94 4488.19,1015.75
  pour cut-out: 3303.15,1015.75 3291.34,1003.94 3291.34,988.19 3303.15,976.38 3318.9,976.38 3330.71,988.19 3330.71,1003.94 3318.9,1015.75
  pour cut-out: 3303.15,1452.76 3291.34,1440.94 3291.34,1425.2 3303.15,1413.39 3318.9,1413.39 3330.71,1425.2 3330.71,1440.94 3318.9,1452.76
  pour cut-out: 2133.86,1452.76 2122.05,1440.94 2122.05,1425.2 2133.86,1413.39 2149.61,1413.39 2161.42,1425.2 2161.42,1440.94 2149.61,1452.76
  pour cut-out: 2133.86,1015.75 2122.05,1003.94 2122.05,988.19 2133.86,976.38 2149.61,976.38 2161.42,988.19 2161.42,1003.94 2149.61,1015.75
Layer 3:
  pour cut-out: 4799.21,1200.79 4787.4,1188.98 4787.4,1173.23 4799.21,1161.42 4814.96,1161.42 4826.77,1173.23 4826.77,1188.98 4814.96,1200.79
  pour cut-out: 3633.86,1200.79 3622.05,1188.98 3622.05,1173.23 3633.86,1161.42 3649.61,1161.42 3661.42,1173.23 3661.42,1188.98 3649.61,1200.79
  pour cut-out: 2460.63,1196.85 2448.82,1185.04 2448.82,1169.29 2460.63,1157.48 2476.38,1157.48 2488.19,1169.29 2488.19,1185.04 2476.38,1196.85
  pour cut-out: 4456.69,1444.88 4468.5,1456.69 4484.25,1456.69 4496.06,1444.88 4496.06,1417.32 4669.29,1244.09 4795.28,1244.09 4799.21,1248.03 4814.96,1248.03 4826.77,1236.22 4826.77,1220.47 4814.96,1208.66 4657.48,1208.66 4456.69,1409.45 4456.69,1417.32
  pour cut-out: 3291.34,1440.94 3303.15,1452.76 3318.9,1452.76 3330.71,1440.94 3330.71,1417.32 3503.94,1244.09 3629.92,1244.09 3633.86,1248.03 3649.61,1248.03 3661.42,1236.22 3661.42,1220.47 3649.61,1208.66 3492.13,1208.66 3291.34,1409.45 3291.34,1417.32
  pour cut-out: 2122.05,1440.94 2133.86,1452.76 2149.61,1452.76 2161.42,1440.94 2161.42,1409.45 2330.71,1240.16 2452.76,1240.16 2460.63,1248.03 2476.38,1248.03 2488.19,1236.22 2488.19,1220.47 2476.38,1208.66 2318.9,1208.66 2122.05,1405.51 2122.05,1413.39
  pour cut-out: 4992.13,968.5 4980.32,956.69 4980.32,909.45 4877.95,807.09 4696.85,807.09 4488.19,1015.75 4472.44,1015.75 4460.63,1003.94 4460.63,984.25 4665.35,779.53 4893.7,779.53 5019.69,905.51 5019.69,956.69 5007.87,968.5
  pour cut-out: 3826.77,968.5 3814.96,956.69 3814.96,909.45 3712.6,807.09 3531.5,807.09 3322.83,1015.75 3303.15,1015.75 3291.34,1003.94 3291.34,988.19 3500,779.53 3728.35,779.53 3854.33,905.51 3854.33,956.69 3842.52,968.5
  pour cut-out: 2653.54,968.5 2641.73,956.69 2641.73,909.45 2539.37,807.09 2358.27,807.09 2149.61,1015.75 2133.86,1015.75 2122.05,1003.94 2122.05,984.25 2326.77,779.53 2555.12,779.53 2681.1,905.51 2681.1,956.69 2669.29,968.5
Layer 4:
  pour cut-out: 2653.54,968.5 2641.73,956.69 2641.73,940.94 2653.54,929.13 2669.29,929.13 2681.1,940.94 2681.1,956.69 2669.29,968.5
  pour cut-out: 2460.63,1196.85 2448.82,1185.04 2448.82,1169.29 2460.63,1157.48 2476.38,1157.48 2488.19,1169.29 2488.19,1185.04 2476.38,1196.85
  pour cut-out: 3633.86,1200.79 3622.05,1188.98 3622.05,1173.23 3633.86,1161.42 3649.61,1161.42 3661.42,1173.23 3661.42,1188.98 3649.61,1200.79
  pour cut-out: 4799.21,1200.79 4787.4,1188.98 4787.4,1173.23 4799.21,1161.42 4814.96,1161.42 4826.77,1173.23 4826.77,1188.98 4814.96,1200.79
  pour cut-out: 2133.86,1015.75 2122.05,1003.94 2122.05,988.19 2133.86,976.38 2149.61,976.38 2161.42,988.19 2161.42,1003.94 2149.61,1015.75
  pour cut-out: 3303.15,1015.75 3291.34,1003.94 3291.34,988.19 3303.15,976.38 3318.9,976.38 3330.71,988.19 3330.71,1003.94 3318.9,1015.75
  pour cut-out: 4472.44,1015.75 4460.63,1003.94 4460.63,988.19 4472.44,976.38 4488.19,976.38 4500,988.19 4500,1003.94 4488.19,1015.75
  pour cut-out: 4468.5,1456.69 4456.69,1444.88 4456.69,1429.13 4468.5,1417.32 4484.25,1417.32 4496.06,1429.13 4496.06,1444.88 4484.25,1456.69
  pour cut-out: 4799.21,1248.03 4787.4,1236.22 4787.4,1220.47 4799.21,1208.66 4814.96,1208.66 4826.77,1220.47 4826.77,1236.22 4814.96,1248.03
  pour cut-out: 3633.86,1248.03 3622.05,1236.22 3622.05,1220.47 3633.86,1208.66 3649.61,1208.66 3661.42,1220.47 3661.42,1236.22 3649.61,1248.03
  pour cut-out: 3303.15,1452.76 3291.34,1440.94 3291.34,1425.2 3303.15,1413.39 3318.9,1413.39 3330.71,1425.2 3330.71,1440.94 3318.9,1452.76
  pour cut-out: 2460.63,1248.03 2448.82,1236.22 2448.82,1220.47 2460.63,1208.66 2476.38,1208.66 2488.19,1220.47 2488.19,1236.22 2476.38,1248.03
  pour cut-out: 2133.86,1452.76 2122.05,1440.94 2122.05,1425.2 2133.86,1413.39 2149.61,1413.39 2161.42,1425.2 2161.42,1440.94 2149.61,1452.76
Layer 5:
  pour cut-out: 2625.98,974.54 2614.17,962.72 2614.17,946.98 2625.98,935.17 2641.73,935.17 2653.54,946.98 2653.54,962.72 2641.73,974.54
  pour cut-out: 2043.31,1059.06 2031.5,1047.24 2031.5,1031.5 2043.31,1019.68 2059.05,1019.68 2070.87,1031.5 2070.87,1047.24 2059.06,1059.06
  pour cut-out: 3212.6,1059.06 3200.79,1047.24 3200.79,1031.5 3212.6,1019.69 3228.35,1019.69 3240.16,1031.5 3240.16,1047.24 3228.35,1059.06
  pour cut-out: 3799.21,976.38 3787.4,964.57 3787.4,948.82 3799.21,937.01 3814.96,937.01 3826.77,948.82 3826.77,964.57 3814.96,976.38
  pour cut-out: 4385.83,1059.06 4374.02,1047.24 4374.02,1031.5 4385.83,1019.69 4401.57,1019.69 4413.39,1031.5 4413.39,1047.24 4401.57,1059.06
  pour cut-out: 4964.57,976.38 4952.76,964.57 4952.76,948.82 4964.57,937.01 4980.31,937.01 4992.13,948.82 4992.13,964.57 4980.31,976.38
Bottom Layer:
  pour cut-out: 4972.28,2527.72 5019.84,2527.72 5019.84,2472.28 4972.28,2472.28
  pour cut-out: 4330.71,2425.2 4350.55,2445.04 4350.55,2488.19 4299.21,2488.19 4299.21,2440.95 4314.96,2425.2
  pour cut-out: 2503.94,2433.07 2523.78,2452.91 2523.78,2496.06 2472.44,2496.06 2472.44,2448.82 2488.19,2433.07
  pour cut-out: 3409.45,2433.07 3429.29,2452.91 3429.29,2496.06 3377.95,2496.06 3377.95,2448.82 3393.7,2433.07
  pour cut-out: 4472.44,1015.75 4452.6,995.91 4452.6,952.76 4503.94,952.76 4503.94,1000 4488.19,1015.75
  pour cut-out: 4468.5,1456.69 4448.66,1436.85 4448.66,1393.7 4500,1393.7 4500,1440.94 4484.25,1456.69
  pour cut-out: 3303.15,1452.76 3283.31,1432.91 3283.31,1389.76 3334.65,1389.76 3334.65,1437.01 3318.9,1452.76
  pour cut-out: 3303.15,1015.75 3283.31,995.91 3283.31,952.76 3334.65,952.76 3334.65,1000 3318.9,1015.75
  pour cut-out: 2133.86,1015.75 2114.02,995.91 2114.02,952.76 2165.35,952.76 2165.35,1000 2149.61,1015.75
  pour cut-out: 4814.96,1200.79 4826.77,1188.98 4826.77,1102.36 4818.9,1094.49 4799.21,1094.49 4787.4,1106.3 4787.4,1188.98 4799.21,1200.79
  pour cut-out: 2460.63,1248.03 2448.82,1236.22 2448.82,1220.47 2460.63,1208.66 2476.38,1208.66 2488.19,1220.47 2488.19,1236.22 2476.38,1248.03
  pour cut-out: 2460.63,1196.85 2448.82,1185.04 2448.82,1169.29 2460.63,1157.48 2476.38,1157.48 2488.19,1169.29 2488.19,1185.04 2476.38,1196.85
  pour cut-out: 3633.86,1248.03 3622.05,1236.22 3622.05,1220.47 3633.86,1208.66 3649.61,1208.66 3661.42,1220.47 3661.42,1236.22 3649.61,1248.03
  pour cut-out: 3633.86,1200.79 3622.05,1188.98 3622.05,1173.23 3633.86,1161.42 3649.61,1161.42 3661.42,1173.23 3661.42,1188.98 3649.61,1200.79
  pour cut-out: 4799.21,1248.03 4787.4,1236.22 4787.4,1220.47 4799.21,1208.66 4814.96,1208.66 4826.77,1220.47 4826.77,1236.22 4814.96,1248.03
  pour cut-out: 2133.86,1452.76 2114.02,1432.91 2114.02,1389.76 2165.35,1389.76 2165.35,1437.01 2149.61,1452.76
  pour cut-out: 8,2764.11 39.49,2764.11 39.49,2594.82 8,2594.82
  pour cut-out: 5566.93,3937.01 5566.93,2877.95 6141.73,2877.95 6141.73,3937.01
  text "X2" at 5669.17,3811.15 h50
  text "HV+" at 6115.98,2651.42 h60 r90
  text "HV-" at 6115.98,2088.43 h60 r90
  text "L1" at 6115.98,1525.43 h60 r90
  text "1166V30" at 661.42,1023.62 h60
  text "L2" at 6115.98,954.57 h60 r90
  text "L3" at 6115.98,395.51 h60 r90

## Silkscreen, mask and mechanical layers (free items; w line width, h text height)
Top Overlay:
  text "Component Layout" at 1586.07,4938.36 h250
  text "Top Overlay" at 2611.07,4613.36 h150
  text "1166V30" at 2756.59,4366.75 h150
  text "UltraZohm 3 Phasen Motor-Modul" at 1122.05,4074.8 h200
Bottom Overlay:
  text "Component Layout" at 4765,4933.07 h250
  text "Bottom Overlay" at 4056.34,4657.48 h150
  text "1166V30" at 3627.21,4377.95 h150
  text "UltraZohm 3 Phasen Motor-Modul" at 5787.4,4094.49 h200
Top Solder:
  rectangle: 1385.83,3248.03 1437.01,3311.02
  rectangle: 1385.83,3598.43 1437.01,3665.35
  rectangle: 374.02,2724.41 437.01,2771.65
  rectangle: 1220.47,3803.15 1275.59,3846.46
  rectangle: 964.57,3803.15 1031.5,3846.46
  rectangle: 708.66,3803.15 771.65,3846.46
  rectangle: 5578.74,3862.2 5657.48,3925.2
  rectangle: 657.48,2700.79 755.91,2748.03
  rectangle: 1110.24,3685.04 1153.54,3748.03
  rectangle: 854.33,3685.04 897.64,3748.03
  rectangle: 598.43,3685.04 641.73,3748.03
  rectangle: 598.43,3330.71 641.73,3393.7
  rectangle: 854.33,3330.71 897.64,3393.7
  rectangle: 1114.17,3464.57 1153.54,3618.11
  rectangle: 858.27,3464.57 897.64,3618.11
  rectangle: 602.36,3464.57 641.73,3618.11
  rectangle: 602.36,3114.17 641.73,3267.72
  rectangle: 858.27,3110.24 897.64,3263.78
  rectangle: 1114.17,3110.24 1153.54,3263.78
  rectangle: 1114.17,3330.71 1157.48,3393.7
  text "GND" at 901.7,2779.65 h40
  text "H1" at 901.7,2519.81 h40
  text "L1" at 901.7,2421.39 h40
  text "H2" at 901.7,2315.09 h40
  text "L2" at 897.76,2220.6 h40
  text "H3" at 897.76,2118.24 h40
  text "L3" at 897.76,2023.75 h40
Bottom Solder:
  rectangle: 5578.74,3803.15 5677.17,3866.14
Mechanical 2:
  lines w3.94: 1850.39,118.11 1850.39,2086.61 5000,2086.61 5000,118.11 1850.39,118.11
  lines w5: -19.68,0 19.69,0 ; 0,-19.69 0,19.69 ; 603.58,78.74 6135.08,78.74 ; 603.58,3858.27 6135.08,3858.27 ; 1771.65,1059.06 4255.91,1059.06 ; 1818.9,1417.32 4255.91,1417.32 ; 2334.65,980.31 2334.65,1417.32 ; 3507.87,980.31 3507.87,1417.32
  lines w314.96: 1346.46,153.54 1346.46,2716.54 ; 1641.73,3011.81 6157.48,3011.81
  lines w318.9: 1346.46,2716.54 1641.73,3011.81

## Text inside footprints (layer, text, board x,y; h text height)
LP101: Top Overlay "LP 100 x 156 mm" at 615.4,-78.74 h40